# Altium PCB X3.PcbDoc (part 1 of 2)
Units mm, origin at the board's own origin, x right, y up, seen from the top; angles counter-clockwise.
Board outline 74 x 100 mm, 2 copper layers (Top Layer, Bottom Layer), stack 1.57 mm thick; 104 components, 68 nets, 474 pads, 147 vias.
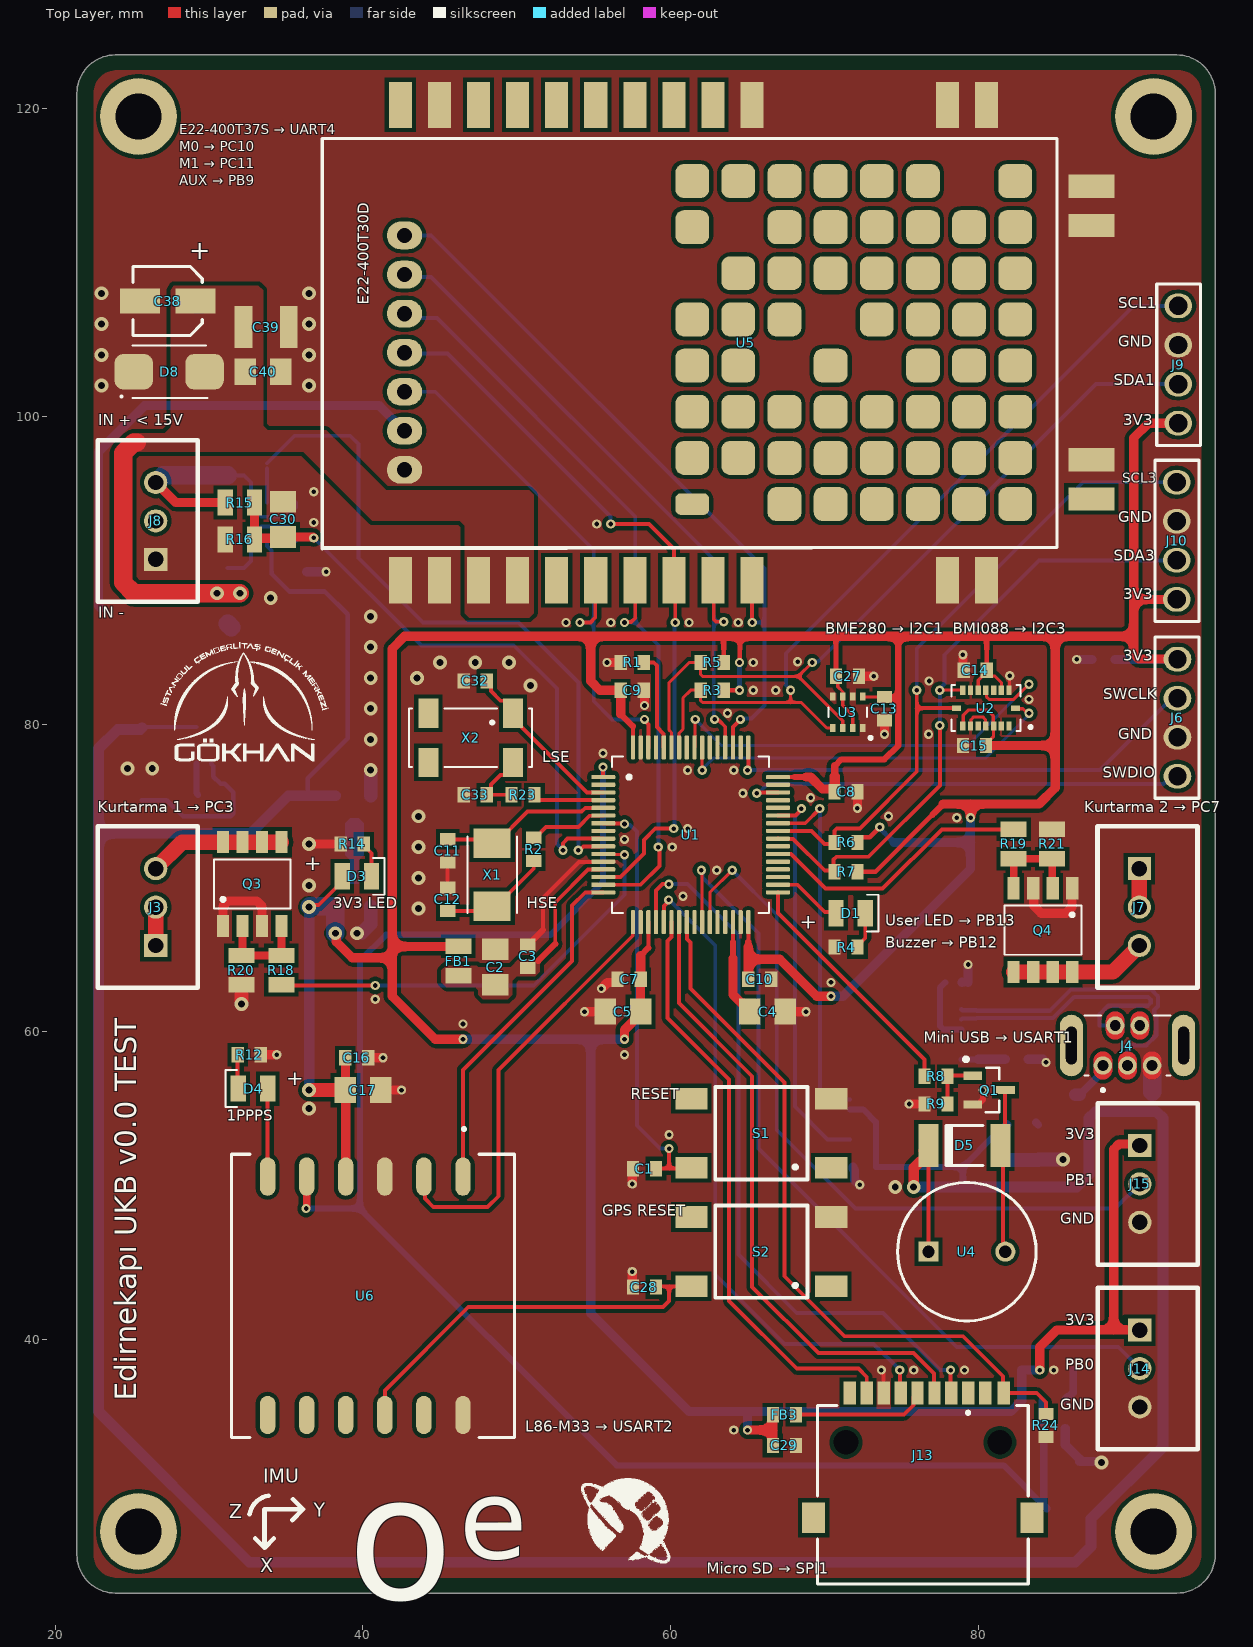
[diagram p0: Top Layer view]
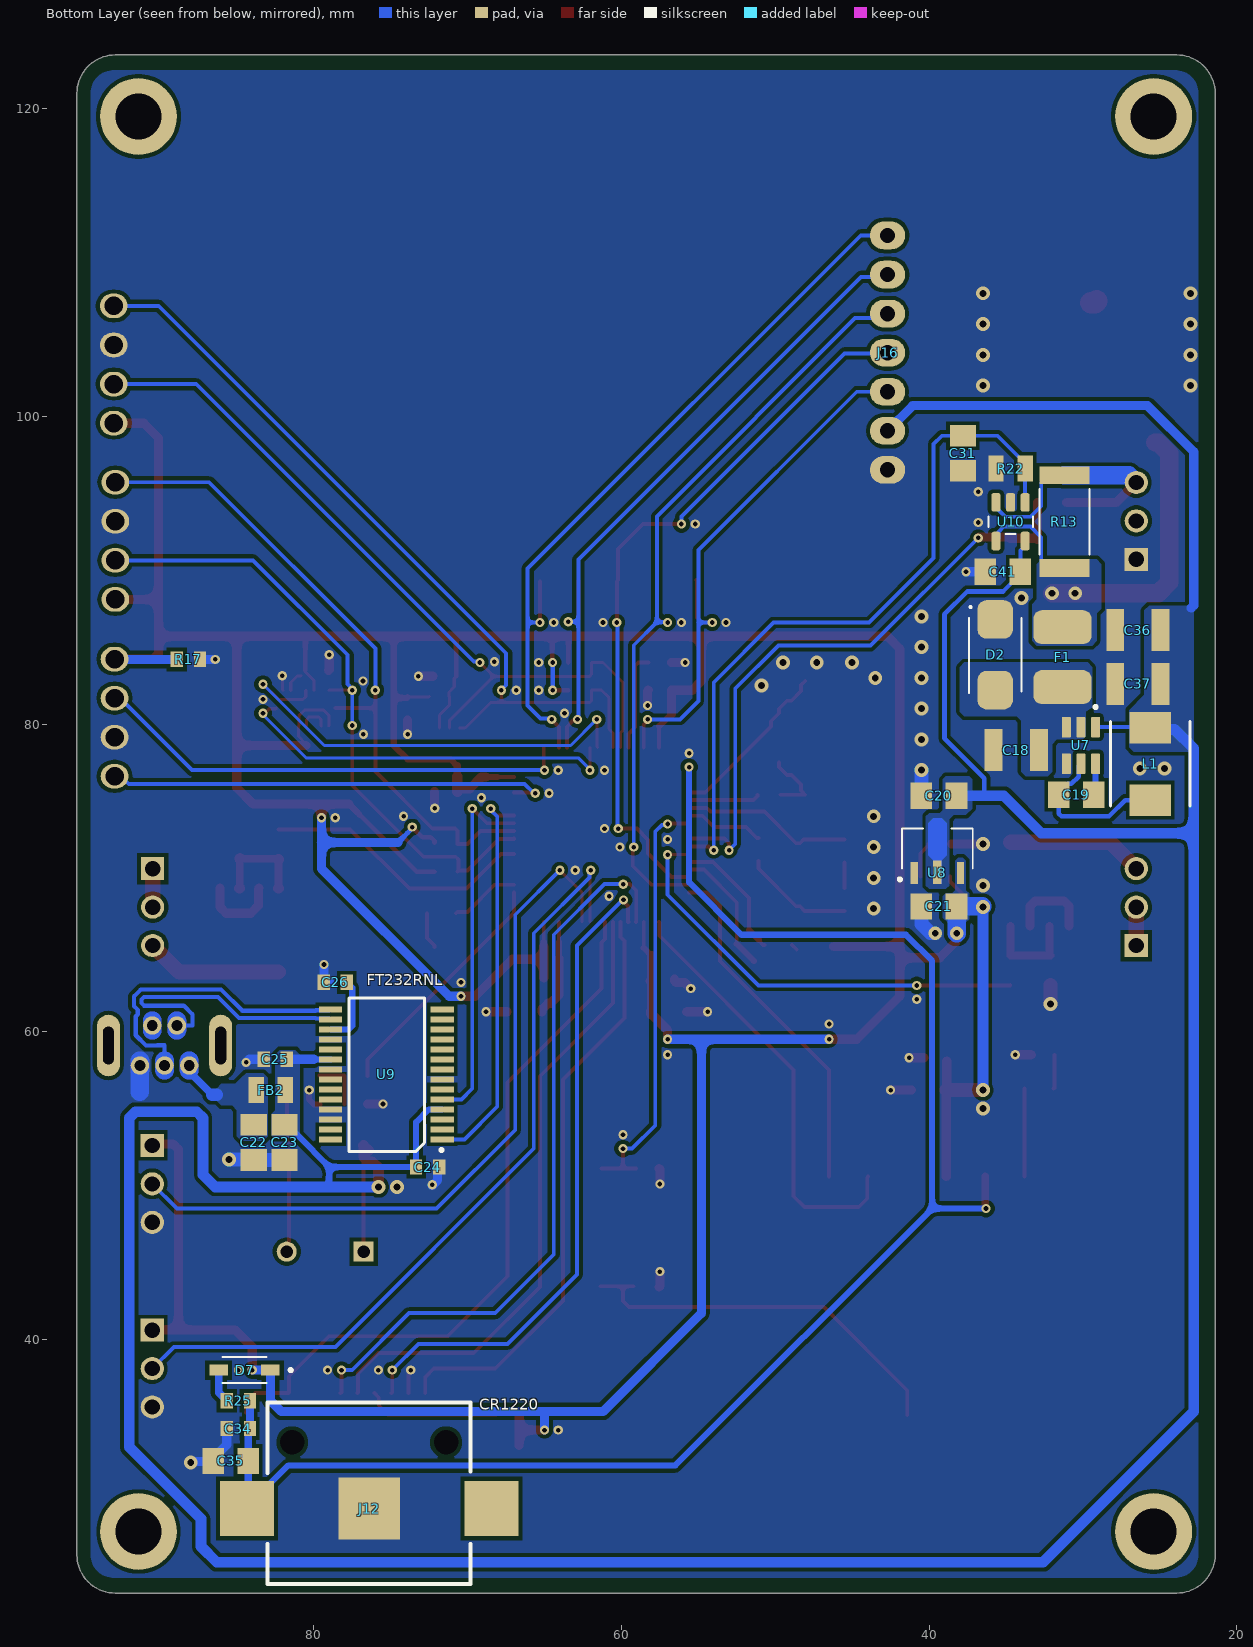
[diagram p1: Bottom Layer view, seen from below]
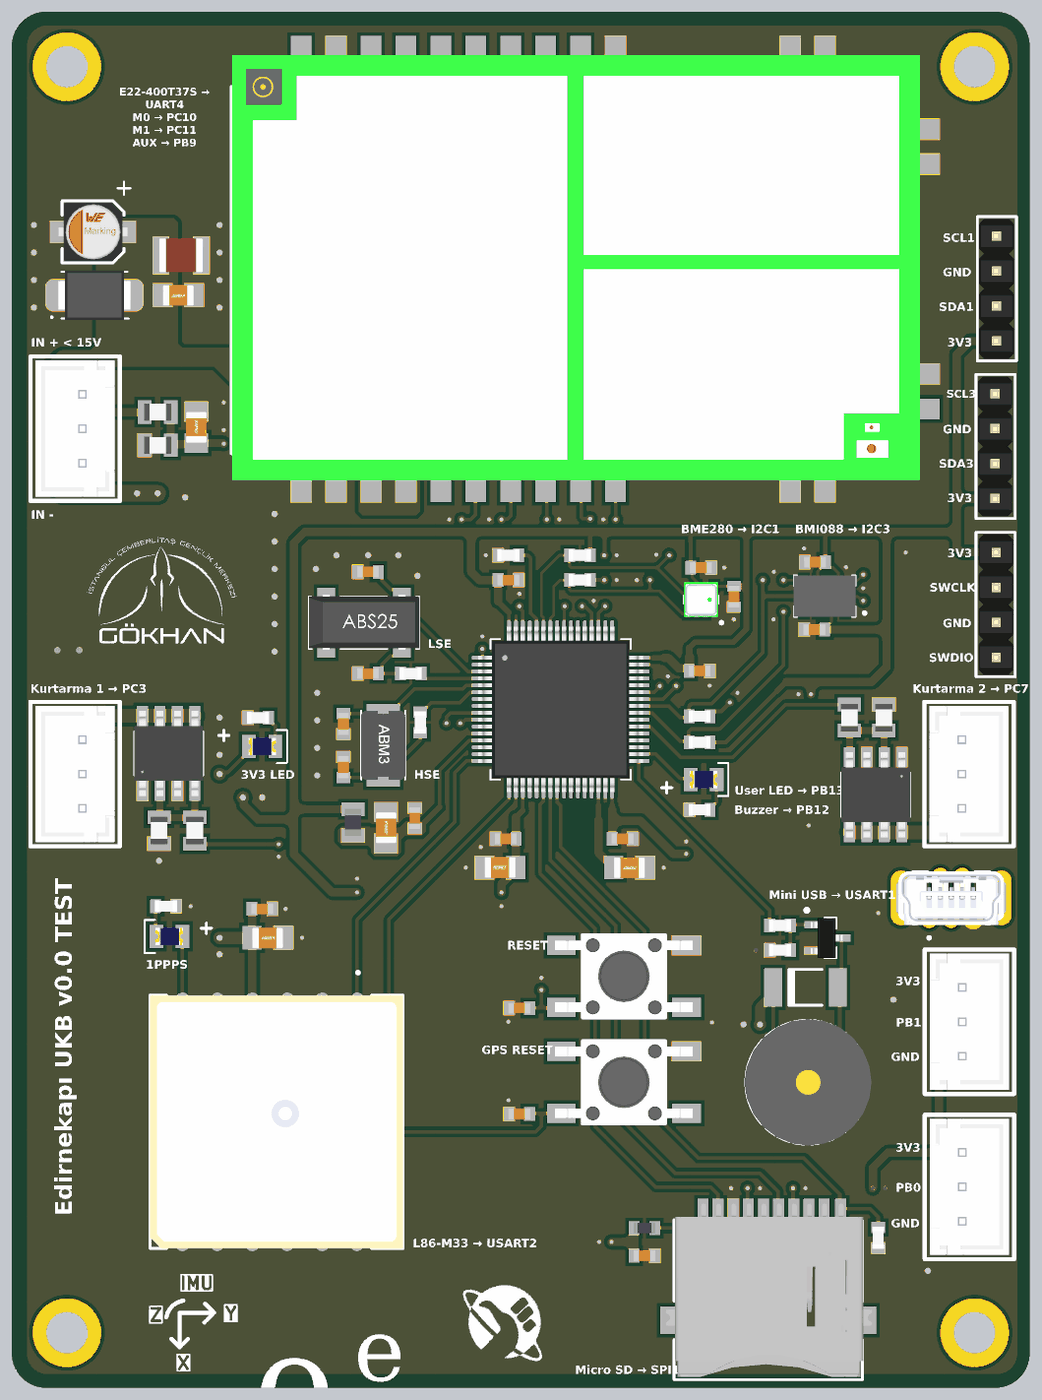
[diagram p3: 3D render of the assembled board from above, using the file's embedded part models]
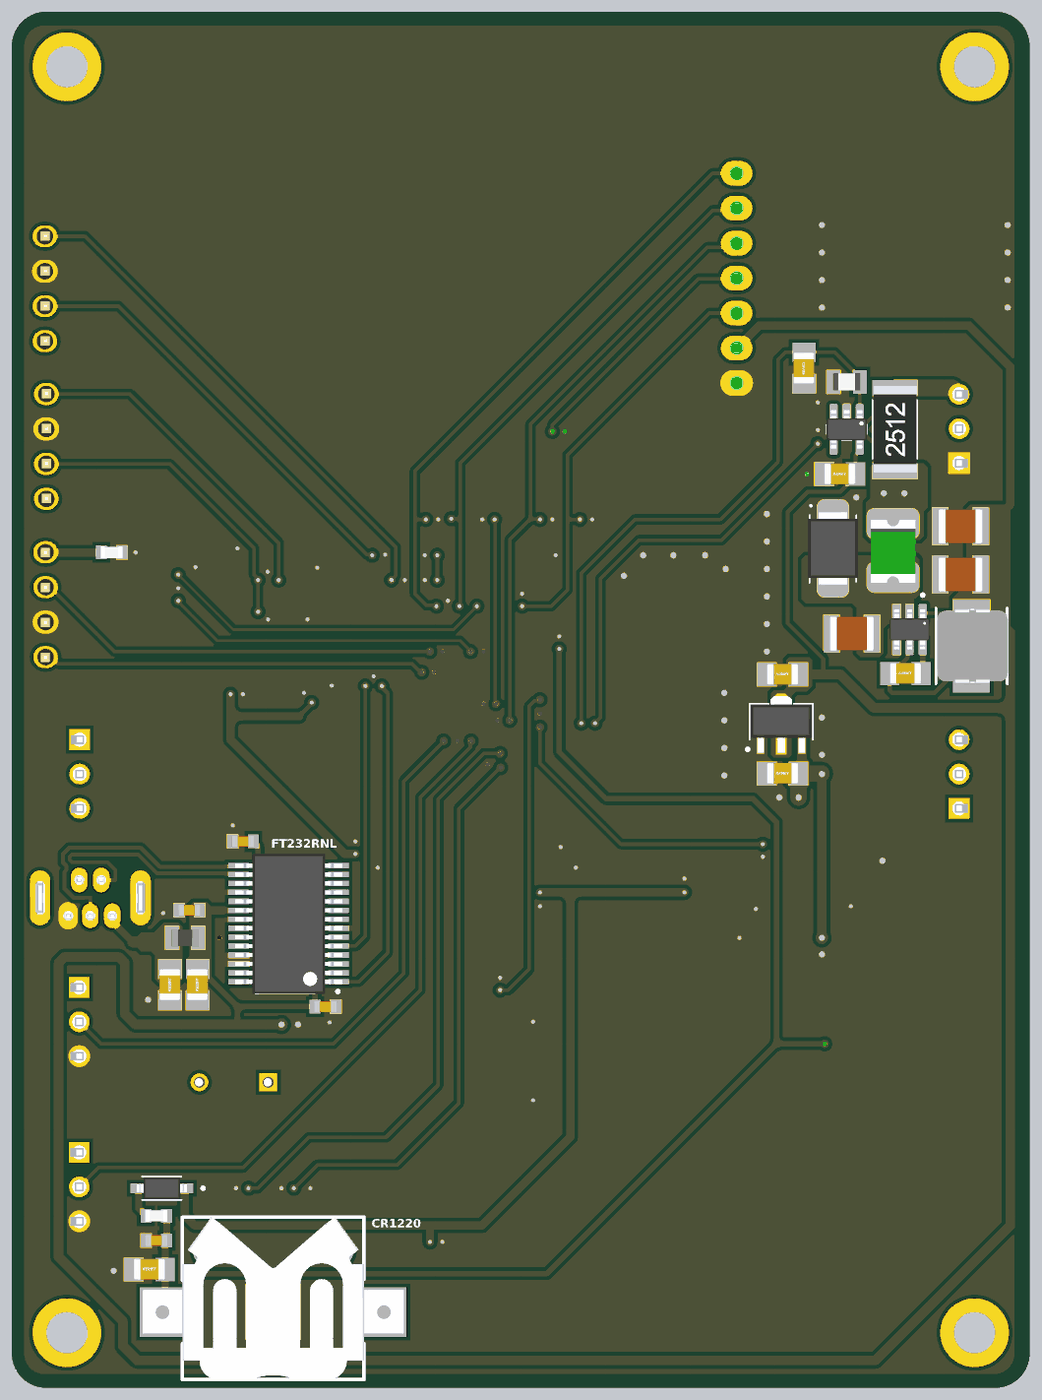
[diagram p4: 3D render of the assembled board from below, using the file's embedded part models]

## Layer stack, top to bottom
Top Solder: solder mask 0.01, SM-001, Dk 3.5
Top Layer: signal copper 0.035
Dielectric 1: core 1.5, FR-4, Dk 4.8
Bottom Layer: signal copper 0.035
Bottom Solder: solder mask 0.01, SM-001, Dk 3.5

## Board outline
23.9,23.5 cw(c23.9,26) 21.4,26 21.4,121 cw(c23.9,121) 23.9,123.5 92.9,123.5 cw(c92.9,121) 95.4,121 95.4,26 cw(c92.9,26) 92.9,23.5

## Design rules (kind name [scope] priority, off if disabled: settings)
Clearance [All] p1: gap=0.254 ignorepadtopadclearanceinfootprint=FALSE except(0.127: SMDPad-SMDPad; 0.2: Arc-Arc Arc-Track Arc-SMDPad Arc-Hole Track-Track Track-SMDPad Track-Hole SMDPad-THPad SMDPad-Hole THPad-Hole Via-Hole Fill-Hole Poly-Hole Region-Hole Text-Hole; 0.3: Arc-Via Track-Via Via-Via; 0.33: Arc-THPad Track-THPad; 0.4: THPad-THPad)
DiffPairsRouting [All] p1: maxlimit=0.203 minlimit=0.203 mostfreqgap=0.203 toplayer_minwidth=0.281 toplayer_maxwidth=0.281 toplayer_prefwidth=0.281 bottomlayer_minwidth=0.281 bottomlayer_maxwidth=0.281 bottomlayer_prefwidth=0.281 impedanceprofiledriven=TRUE maxuncoupledlength=12.7
HoleSize [All] p1: absolutevalues=TRUE maxlimit=6 minlimit=0.3 maxpercent=80.000 minpercent=20.000
HoleToHoleClearance [All] p1: gap=0.5 allowstackedmicrovias=TRUE
MinimumSolderMaskSliver [All] p1: minsoldermaskwidth=0.005
PlaneConnect [All] p1: planeconnectstyle=Direct reliefexpansion=0.508 reliefentries=4 reliefconductorwidth=0.254 reliefairgap=0.254
PolygonConnect [All] p1: connectstyle=Direct reliefconductorwidth=0.254 reliefentries=4 polygonreliefangle="90 Angle" airgapwidth=0.254
RoutingVias [All] p1: holewidth=0.3 width=0.6 viastyle="Through Hole" minholewidth=0.3 minwidth=0.5 maxholewidth=0.7 maxwidth=0.9
SilkToSilkClearance [All] p1: silktosilkclearance=0.2
SolderMaskExpansion [All] p1: expansion=0.038 istentingtop=FALSE
UnRoutedNet [All] p1: checkbadconnections=TRUE
Width [All] p1: maxlimit=1.5 minlimit=0.2 preferedwidth=0.254 minimp=50.000000 maximp=50.000000 favimp=50.000000
23 further rules are at their usual default settings.

## Classes and differential pairs
differential pair class DIFF_USB: USB_D
component class Power: C18 C19 C20 C21 C30 C31 C34 C35 C36 C37 C41 D2 D3 D7 F1 J8 J12 L1 R13 R14 R15 R16 R22 R25 U7 U8 U10
component class Peripherals: C13 C14 C15 C16 C17 C27 C28 C38 C39 C40 D4 D5 D8 J3 J7 J16 Q1 Q3 Q4 R8 R9 R12 R18 R19 R20 R21 S2 U2 U3 U4 U5 U6
component class MCU: C1 C2 C3 C4 C5 C7 C8 C9 C10 C11 C12 C32 C33 D1 FB1 R1 R2 R3 R4 R5 R6 R7 R23 S1 U1 X1 X2
component class Connectors: C22 C23 C24 C25 C26 C29 FB2 FB3 J4 J6 J9 J10 J13 J14 J15 R17 R24 U9
differential pair USB_D: +USB_D_P -USB_D_N

## Components (designator, comment, footprint, x,y, rotation, side; value= is the part's Value field where it differs from the comment)
C1 "100n" "CAP 0603" 58.3,51.1 r0 top
C2 "1u" "CAP 0805" 48.6,64.2 r270 top
C3 "100n" "CAP 0603" 50.7,64.893 r270 top
C4 "4u7" "CAP 0805" 66.3,61.3 r180 top
C5 "2u2" "CAP 0805" 56.9,61.3 r0 top
C7 "100n" "CAP 0603" 57.3,63.4 r0 top
C8 "100n" "CAP 0603" 71.4,75.6 r180 top
C9 "100n" "CAP 0603" 57.5,82.2 r180 top
C10 "100n" "CAP 0603" 65.8,63.4 r180 top
C11 "27p" "CAP 0603" 45.5,71.75 r90 top
C12 "27p" "CAP 0603" 45.5,68.6 r270 top
C13 "100n" "CAP 0603" 73.9,81 r90 top
C14 "100n" "CAP 0603" 79.8,83.5 r0 top
C15 "100n" "CAP 0603" 79.75,78.6 r0 top
C16 "100n" "CAP 0603" 39.6,58.3 r180 top
C17 "10u" "CAP 0805" 40,56.2 r180 top
C18 "10u" "CAP 1210" 34.325,78.305 r180 bottom
C19 "100n" "CAP 0805" 30.425,75.405 r180 bottom
C20 "1u" "CAP 0805" 39.36,75.34 r180 bottom
C21 "1u" "CAP 0805" 39.36,68.14 r180 bottom
C22 "2u2" "CAP 0805" 83.9,52.8 r90 bottom
C23 "2u2" "CAP 0805" 81.9,52.8 r90 bottom
C24 "100n" "CAP 0603" 72.6,51.2 r0 bottom
C25 "100n" "CAP 0603" 82.5,58.2 r180 bottom
C26 "100n" "CAP 0603" 78.6,63.2 r180 bottom
C27 "100n" "CAP 0603" 71.5,83.1 r180 top
C28 "100n" "CAP 0603" 58.3,43.4 r0 top
C29 "100n" "CAP 0603" 67.4,33.1 r180 top
C30 "100n" "CAP 0805" 34.8,93.3 r270 top
C31 "100n" "CAP 0805" 37.8,97.6 r90 bottom
C32 "4p3" "CAP 0603" 47.3,82.8 r0 top
C33 "4p3" "CAP 0603" 47.3,75.4 r0 top
C34 "100n" "CAP 0603" 84.9,34.2 r180 bottom
C35 "4u7" "CAP 0805" 85.4,32.1 r180 bottom
C36 "22u" "CAP 1210" 26.425,86.105 r180 bottom
C37 "22u" "CAP 1210" 26.425,82.605 r180 bottom
C38 "100u" 865060653010 27.3,107.5 r0 top
C39 "22u" "CAP 1210" 33.7,105.8 r180 top
C40 "100n" "CAP 0805" 33.5,102.9 r180 top
C41 "100n" "CAP 0805" 35.2,89.9 r180 bottom
D1 "LED 0805 BLUE" "LED 0805 BLUE" 71.7,67.7 r180 top
D2 "SMBJ14CA" SMBJ12CA-13-F 35.7,84.5 r90 bottom
D3 "LED 0805 BLUE" "LED 0805 BLUE" 39.6,70.1 r180 top
D4 "LED 0805 BLUE" "LED 0805 BLUE" 32.85,56.3 r0 top
D5 "TMBAT49FILM" TMBAT49FILM 79.1,52.6 r0 top
D7 "1N5819HW-7-F" 1N5819HW-7-F 84.5,38 r0 bottom
D8 "SMBJ14CA" SMBJ12CA-13-F 27.4,102.9 r180 top
F1 "MF-MSMF075/24-2" 0ZCG0075FF2C 31.2,84.3 r270 bottom
FB1 "600 Ω @ 100 MHz" "FB 0805" 46.2,64.593 r270 top
FB2 "100R" "FB 0805" 82.8,56.2 r180 bottom
FB3 "100R" "FB 0603" 67.4,35.1 r180 top
J3 "JST B3B-XH-A" JST_B3B-XH-A 26,68.1 r90 top
J4 "UE25BE5510H" UE25BE55H 89.7,59.1 r180 top
J6 "1x4 HEADER MALE" "1X4 HEADER MALE" 92.95,80.41 r90 top
J7 "JST B3B-XH-A" JST_B3B-XH-A 91,68.1 r270 top
J8 "JST B3B-XH-A" JST_B3B-XH-A 26,93.2 r90 top
J9 "1x4 HEADER MALE" "1X4 HEADER MALE" 93,103.37 r270 top
J10 "1x4 HEADER MALE" "1X4 HEADER MALE" 92.9,91.91 r270 top
J12 "S8201-46R" S8201-46R 76.4,29 r180 bottom
J13 "112I-TA01" 112I-TA01 76.4,30.3 r0 top
J14 "JST B3B-XH-A" JST_B3B-XH-A 91.025,38.1 r270 top
J15 "JST B3B-XH-A" JST_B3B-XH-A 91.025,50.1 r270 top
J16 "LoRa E22-433T30D H" "LoRa E22-433T30D H" 42.7,104.14 r90 bottom
L1 "4u7" IHLP2020CZER4R7M11 25.625,77.405 r90 bottom
Q1 "BC817-25W,115" BC817-25 80.7,56.2 r0 top
Q3 "FDS6892A" DMG4822SSD-13 32.8,69.6 r90 top
Q4 "FDS6892A" DMG4822SSD-13 84.2,66.6 r270 top
R1 "10K" "RES 0603" 57.5,84 r0 top
R2 "0R" "RES 0603" 51.1,71.85 r90 top
R3 "2k7" "RES 0603" 62.7,82.2 r0 top
R4 "1K" "RES 0603" 71.4,65.5 r180 top
R5 "2k7" "RES 0603" 62.7,84 r0 top
R6 "2k7" "RES 0603" 71.4,72.3 r0 top
R7 "2k7" "RES 0603" 71.4,70.4 r0 top
R8 "1K" "RES 0603" 77.25,57.1 r0 top
R9 "10K" "RES 0603" 77.25,55.3 r0 top
R12 "1K" "RES 0603" 32.6,58.5 r0 top
R13 "TLRP3A30DR100FTE" "RES 2512" 31.2,93.15 r90 bottom
R14 "1K" "RES 0603" 39.3,72.2 r180 top
R15 "30K" "RES 0805" 32,94.4 r180 top
R16 "10K" "RES 0805" 32,92 r0 top
R17 "10K" "RES 0603" 88.15,84.2 r0 bottom
R18 "1K" "RES 0805" 34.7,64 r90 top
R19 "1K" "RES 0805" 82.3,72.2 r270 top
R20 "10K" "RES 0805" 32.1,64 r90 top
R21 "10K" "RES 0805" 84.8,72.2 r270 top
R22 "10K" "RES 0805" 34.7,96.6 r180 bottom
R23 "0R" "RES 0603" 50.4,75.4 r0 top
R24 "1M" "RES 0603" 84.4,34.4 r90 top
R25 "1K" "RES 0603" 84.9,36 r0 bottom
S1 "FSM4JSMATR" FSM4JSMATR 65.9,53.4 r270 top
S2 "FSM4JSMATR" FSM4JSMATR 65.9,45.7 r270 top
U1 "STM32F446RET6" STM32F446RET6 61.3,72.8 r0 top
U2 "BMI088" BMI088 80.497,81.032 r180 top
U3 "BME280" BME280 71.514,80.766 r270 top
U4 "YX-YT9503" YX-YT9503 79.3,45.7 r90 top
U5 "LORA E22-400T37S" "LORA E22-400T37S" 57.721,106.165 r0 top
U6 "L86 GPS" L86 40.65,42.83 r270 top
U7 "AP63205WU-7" AP63205 30.125,78.605 r270 bottom
U8 "MCP1702T-3302E/MB" MCP1702T-3302E/MB 39.46,71.74 r90 bottom
U9 "FT232RL-REEL" FT232RL 75.275,57.225 r90 bottom
U10 "INA139NA/3K" INA139NA 34.7,93.15 r270 bottom
X1 "ABM3-8.000MHZ-D2Y-T" ABM3-8.000MHZ-D2Y-T 48.4,70.2 r270 top
X2 "ABS25-32.768KHZ-6-T" ABS25-32.768KHZ-6-T 47,79.1 r270 top
